# Altium PCB JTAG批量下载板-V1.6-ASCII.PcbDoc (part 6 of 14)
Units mil, origin at the board's own origin, x right, y up, seen from the top; angles counter-clockwise.
Board outline 7947.6 x 7007.76 mil, 2 copper layers (Top Layer, Bottom Layer); 207 components, 340 nets, 1329 pads, 792 vias.
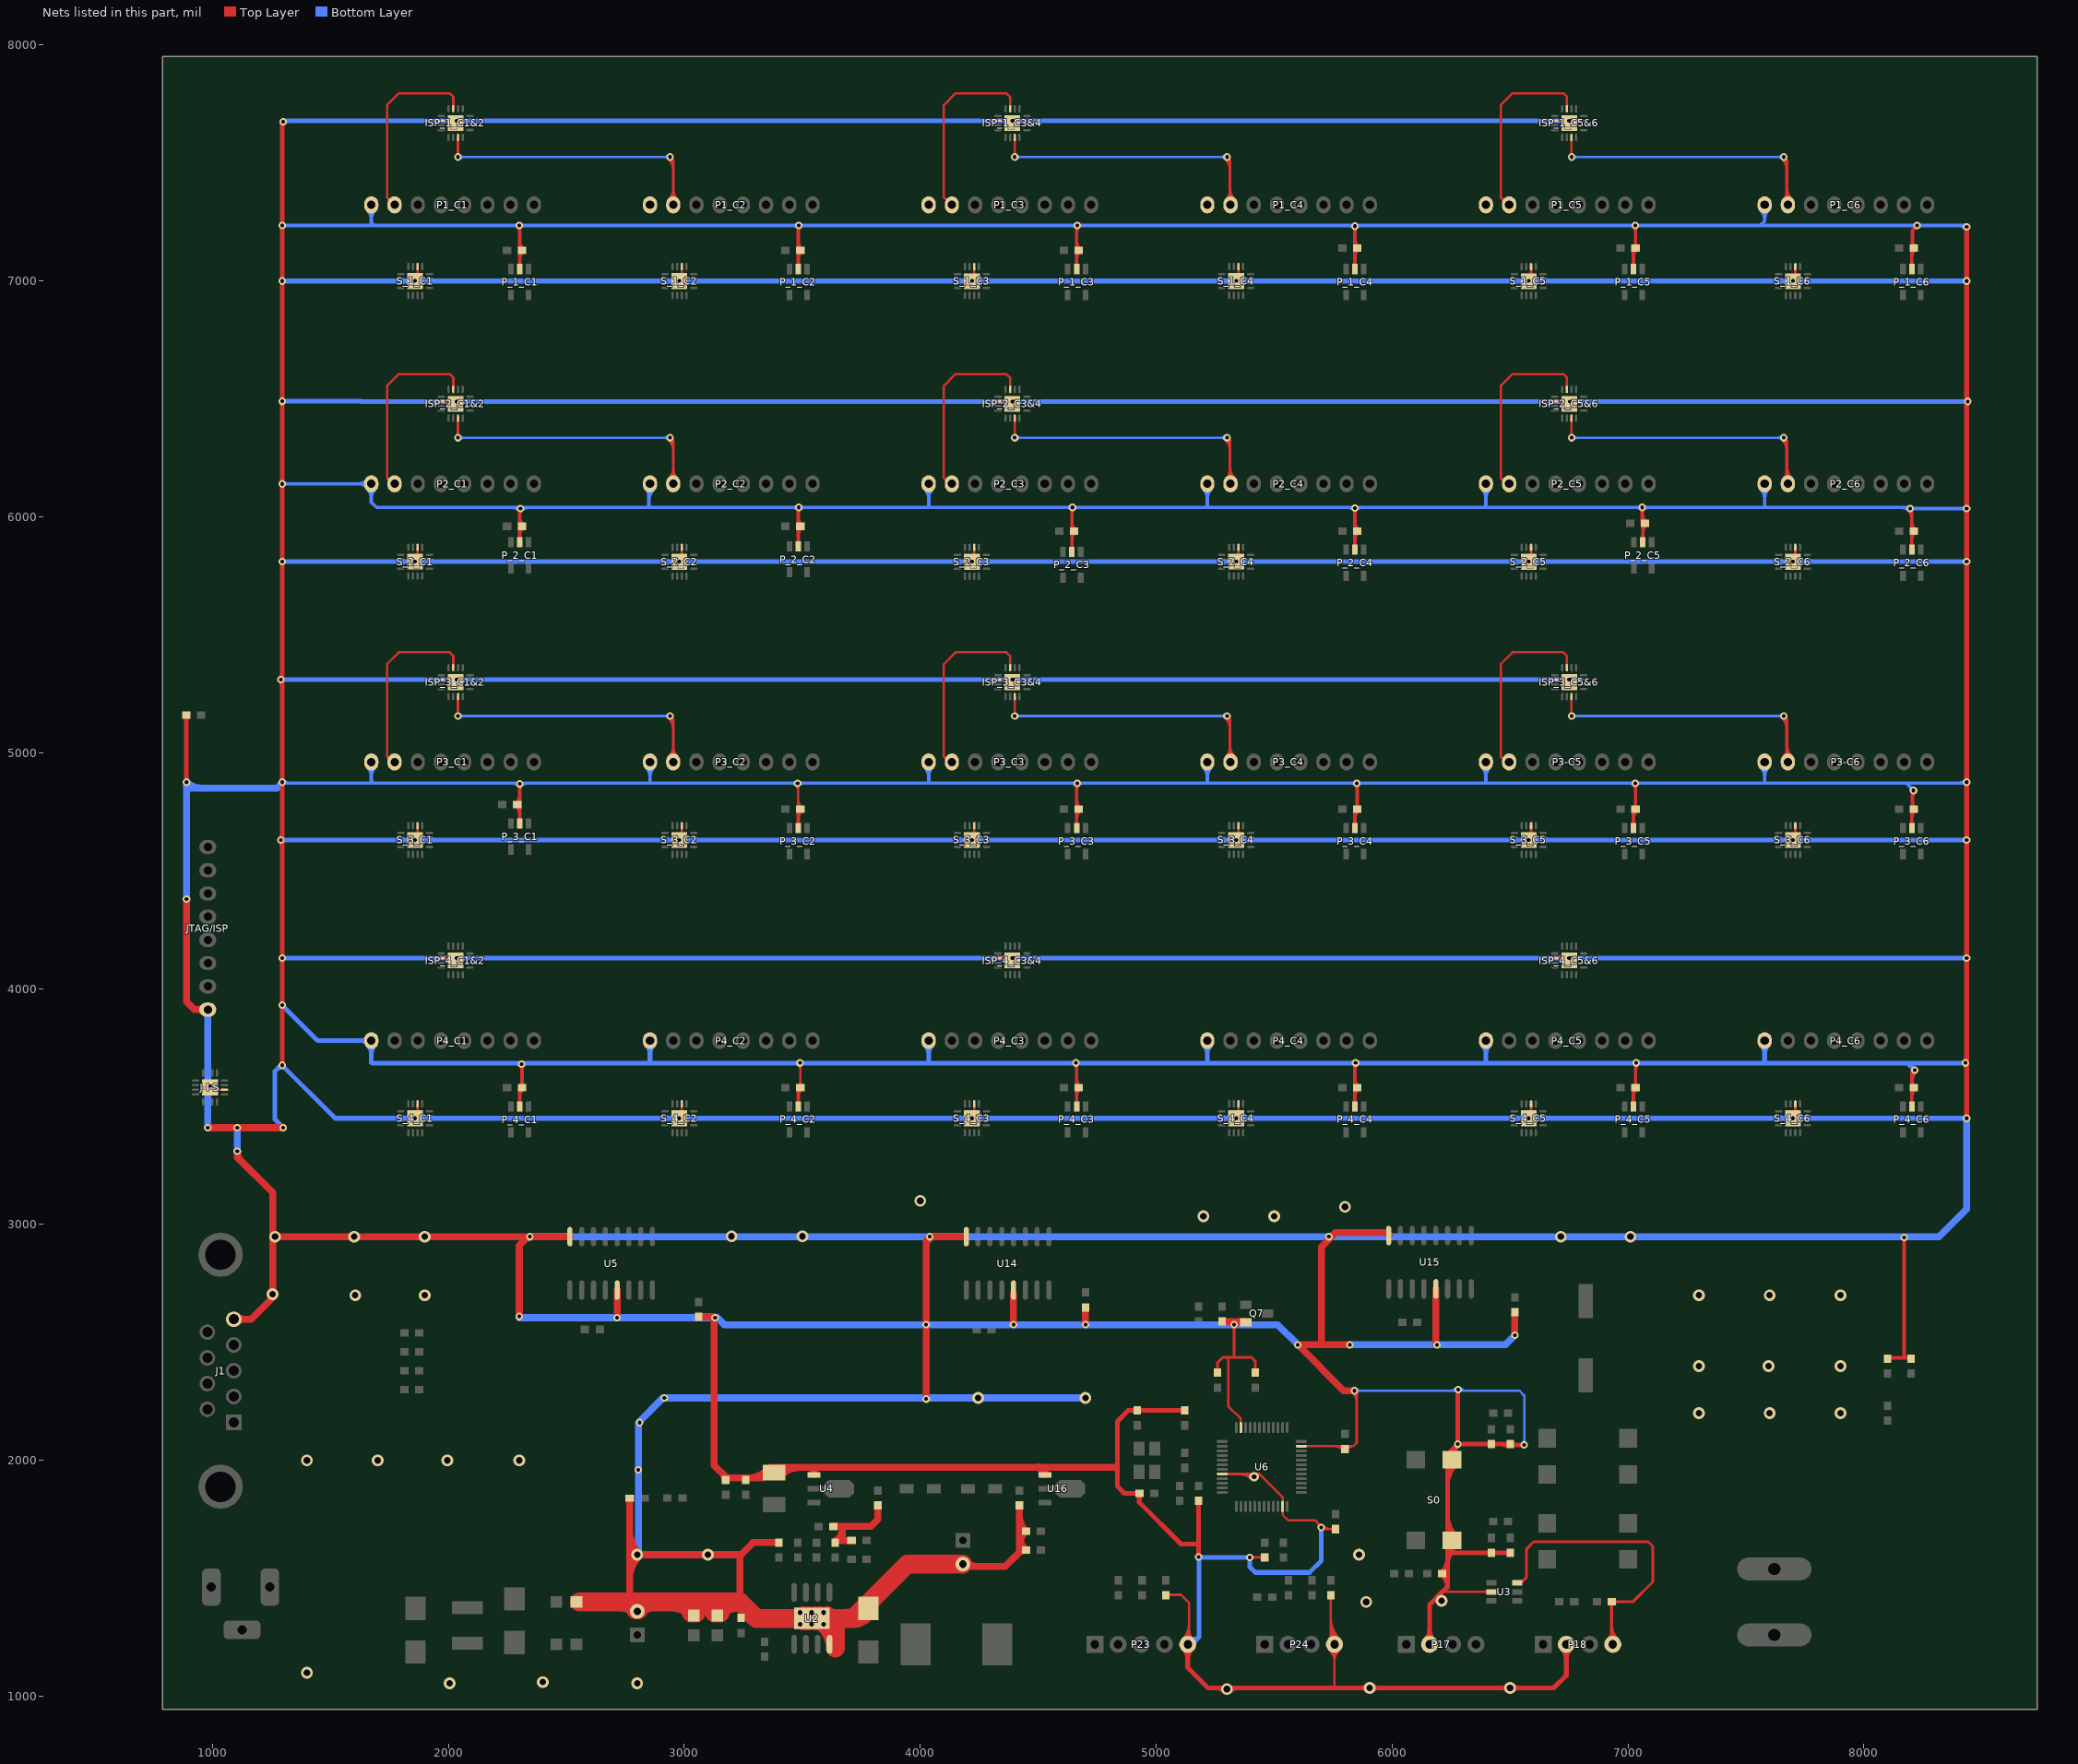
[diagram p6: the nets of this part, all layers, seen from the top]

## Via types
v1: diameter 32, hole 16, Top Layer to Bottom Layer, 721 vias
v2: diameter 50, hole 28, Top Layer to Bottom Layer, 45 vias
v3: diameter 40, hole 20, Top Layer to Bottom Layer, 26 vias

## Nets (pads, with @x,y where several pads share a name; then routed paths per layer and width w, separated by ;. In a path a pad name is that pad's centre, name@x,y a point inside that pad or via, vN(x,y) a via of type N, cw(c..) or ccw(c..) an arc to the next point about the centre after c; other vN are vias at no path point) (continued)
GND: (continued)
  Top Layer w30: v1(890,4380) 890,3945 923.98,3911.02 JTAG/ISP.8@980,3911.02 ; v1(980,3410) v1(1300,3410) ; J1.5@1089.92,2598.11 1163.11,2598.11 1255,2690 1255,3135 1105,3285 v1(1105,3310) ; v2@1256.81,2948.19 U5.8@2515,2948.19 ; v1(2300,2610) 2300,2910 v1@2338.19,2948.19 ; v1@2715,2610 U5.13@2715,2721.81 ; LD0.2@2768.5,1840 2768.5,1401.5 2770,1400 ; v2(2800,1600) 3240,1600 ; C41.2@3060,2608.5 3126.5,2608.5 3126.5,1978.5 C30.2@3180,1925 ; C30.2@3170,1925 3320,1925 ; 3235,1400 3235,1595 3291.5,1651.5 C50.2@3400,1651.5 ; C7.2@3365,1970 3320,1925 ; C7.2@3380,1970 4825,1970 ; U4.1@3549.13,1939.06 3549.13,1969.13 ; R10.1@3631.5,1720 3790,1720 3820,1750 C5.2@3820,1808.5 ; R7.1@3640,1660 C52.2@3708.5,1660 ; 3670,1660 3670,1715 ; 3675,1720 3670,1715 ; v1(4025,2260) 4025,2925 4048.19,2948.19 U14.8@4195,2948.19 ; C53.2@4195,1550 4360,1550 4420,1610 C21.2@4420,1808.5 ; v1(4395,2575) U14.13@4395,2710 ; 4505,1970 4529.13,1945.87 U16.1@4529.13,1939.06 ; v1(4700,2575) C43.2@4700,2648.5 ; R21.1@5280,2588.5 Q7.2@5376.69,2588.5 ; 5700,2495 5700,2905 5760,2965 U15.8@5975,2965 ; v1(5820,2490) v1(5600,2490) 5795,2295 v1(5840,2295) ; v1@6185,2490 U15.13@6185,2726.81 ; v1(6520,2530) C42.2@6520,2615 ; 937.79,3911.02 cw(c937.79,3874.81) 963.39,3900.42 ccw(c937.79,3874.81) 937.79,3911.02 ; 937.79,3911.02 ccw(c937.79,3947.24) 963.39,3921.63 cw(c937.79,3947.24) 937.79,3911.02 ; 1134.02,2598.11 cw(c1134.02,2642.21) 1102.84,2611.03 ccw(c1134.02,2642.21) 1134.02,2598.11 ; 1134.02,2598.11 ccw(c1134.02,2554.01) 1102.84,2585.19 cw(c1134.02,2554.01) 1134.02,2598.11 ; 2768.5,1499.82 cw(c2900.18,1499.82) v2@2807.07,1592.93 ; 2768.5,1499.82 cw(c2900.18,1499.82) v2@2807.07,1592.93 ; 2768.5,1499.82 cw(c2900.18,1499.82) v2@2807.07,1592.93 ; 2768.5,1572.25 cw(c2827.75,1572.25) v2@2785.86,1614.14 ; 2768.5,1572.25 cw(c2827.75,1572.25) v2@2785.86,1614.14 ; 2768.5,1572.25 cw(c2827.75,1572.25) v2@2785.86,1614.14 ; 2768.5,1627.75 ccw(c2827.75,1627.75) v2@2785.86,1585.86 ; 2768.5,1627.75 ccw(c2827.75,1627.75) v2@2785.86,1585.86 ; 2768.5,1627.75 ccw(c2827.75,1627.75) v2@2785.86,1585.86 ; 2768.5,1700.18 ccw(c2900.18,1700.18) v2@2807.07,1607.07 ; 2768.5,1700.18 ccw(c2900.18,1700.18) v2@2807.07,1607.07 ; 2768.5,1700.18 ccw(c2900.18,1700.18) v2@2807.07,1607.07 ; 3165.57,1939.43 cw(c3144.6,1918.46) C30.2@3174.25,1918.46 ; 3165.57,1939.43 cw(c3144.6,1918.46) C30.2@3174.25,1918.46 ; 3165.57,1939.43 cw(c3144.6,1918.46) C30.2@3174.25,1918.46 ; 3165.57,1939.43 cw(c3144.6,1918.46) C30.2@3174.25,1918.46 ; 3165.57,1939.43 cw(c3144.6,1918.46) C30.2@3174.25,1918.46 ; C30.2@3175.53,1917.94 cw(c3192.58,1900.88) 3192.58,1925 ; C30.2@3175.53,1917.94 cw(c3192.58,1900.88) 3192.58,1925 ; C30.2@3175.53,1917.94 cw(c3192.58,1900.88) 3192.58,1925 ; C30.2@3175.53,1917.94 cw(c3192.58,1900.88) 3192.58,1925 ; C30.2@3175.53,1917.94 cw(c3192.58,1900.88) 3192.58,1925 ; 3242.42,1925 cw(c3242.42,1900.88) C6.2@3259.47,1917.94 ; 3242.42,1925 cw(c3242.42,1900.88) C6.2@3259.47,1917.94 ; 3242.42,1925 cw(c3242.42,1900.88) C6.2@3259.47,1917.94 ; 3242.42,1925 cw(c3242.42,1900.88) C6.2@3259.47,1917.94 ; 3242.42,1925 cw(c3242.42,1900.88) C6.2@3259.47,1917.94 ; C6.2@3260.53,1917.94 cw(c3277.58,1900.88) 3277.58,1925 ; C6.2@3260.53,1917.94 cw(c3277.58,1900.88) 3277.58,1925 ; C6.2@3260.53,1917.94 cw(c3277.58,1900.88) 3277.58,1925 ; C6.2@3260.53,1917.94 cw(c3277.58,1900.88) 3277.58,1925 ; C6.2@3260.53,1917.94 cw(c3277.58,1900.88) 3277.58,1925 ; C6.2@3267.72,1925 ccw(c3267.72,2045.43) C7.2@3352.88,1960.27 ; C6.2@3267.72,1925 ccw(c3267.72,2045.43) C7.2@3352.88,1960.27 ; C6.2@3267.72,1925 ccw(c3267.72,2045.43) C7.2@3352.88,1960.27 ; C6.2@3267.72,1925 ccw(c3267.72,2045.43) C7.2@3352.88,1960.27 ; C6.2@3267.72,1925 ccw(c3267.72,2045.43) C7.2@3352.88,1960.27 ; 3320,1925 ccw(c3320,1953.04) C7.2@3347.87,1949.88 ; 3320,1925 ccw(c3320,1953.04) C7.2@3347.87,1949.88 ; 3320,1925 ccw(c3320,1953.04) C7.2@3347.87,1949.88 ; 3320,1925 ccw(c3320,1953.04) C7.2@3347.87,1949.88 ; 3320,1925 ccw(c3320,1953.04) C7.2@3347.87,1949.88 ; C7.2@3407.12,1935.55 cw(c3490.29,1852.39) 3490.29,1970 ; C7.2@3407.12,1935.55 cw(c3490.29,1852.39) 3490.29,1970 ; C7.2@3407.12,1935.55 cw(c3490.29,1852.39) 3490.29,1970 ; C7.2@3407.12,1935.55 cw(c3490.29,1852.39) 3490.29,1970 ; C7.2@3407.12,1935.55 cw(c3490.29,1852.39) 3490.29,1970 ; R7.1@3639.55,1654.06 ccw(c3593.81,1715) 3670,1715 ; R7.1@3639.55,1654.06 ccw(c3593.81,1715) 3670,1715 ; R7.1@3639.55,1654.06 ccw(c3593.81,1715) 3670,1715 ; R7.1@3639.55,1654.06 ccw(c3593.81,1715) 3670,1715 ; R7.1@3639.55,1654.06 ccw(c3593.81,1715) 3670,1715 ; R7.1@3640.53,1652.94 cw(c3657.58,1635.88) 3657.58,1660 ; R7.1@3640.53,1652.94 cw(c3657.58,1635.88) 3657.58,1660 ; R7.1@3640.53,1652.94 cw(c3657.58,1635.88) 3657.58,1660 ; R7.1@3640.53,1652.94 cw(c3657.58,1635.88) 3657.58,1660 ; R7.1@3640.53,1652.94 cw(c3657.58,1635.88) 3657.58,1660 ; 4025,2909.56 cw(c4078.63,2909.56) v1@4040.71,2947.48 ; 4025,2909.56 cw(c4078.63,2909.56) v1@4040.71,2947.48 ; 4025,2909.56 cw(c4078.63,2909.56) v1@4040.71,2947.48 ; 4025,2909.56 cw(c4078.63,2909.56) v1@4040.71,2947.48 ; 4025,2909.56 cw(c4078.63,2909.56) v1@4040.71,2947.48 ; 4025,2920.57 cw(c4055.83,2920.57) v1@4040.5,2947.32 ; 4025,2920.57 cw(c4055.83,2920.57) v1@4040.5,2947.32 ; 4025,2920.57 cw(c4055.83,2920.57) v1@4040.5,2947.32 ; 4025,2920.57 cw(c4055.83,2920.57) v1@4040.5,2947.32 ; 4025,2920.57 cw(c4055.83,2920.57) v1@4040.5,2947.32 ; 4032.5,2932.5 ccw(c4016.82,2948.19) v1@4039,2948.19 ; 4032.5,2932.5 ccw(c4016.82,2948.19) v1@4039,2948.19 ; 4032.5,2932.5 ccw(c4016.82,2948.19) v1@4039,2948.19 ; 4032.5,2932.5 ccw(c4016.82,2948.19) v1@4039,2948.19 ; 4032.5,2932.5 ccw(c4016.82,2948.19) v1@4039,2948.19 ; C53.2@4191.66,1571.66 ccw(c4243.97,1623.97) 4243.97,1550 ; C53.2@4191.66,1571.66 ccw(c4243.97,1623.97) 4243.97,1550 ; C53.2@4191.66,1571.66 ccw(c4243.97,1623.97) 4243.97,1550 ; C53.2@4191.66,1571.66 ccw(c4243.97,1623.97) 4243.97,1550 ; C53.2@4191.66,1571.66 ccw(c4243.97,1623.97) 4243.97,1550 ; 4417.03,1607.03 cw(c4446.54,1577.53) C23.1@4446.54,1619.25 ; 4417.03,1607.03 cw(c4446.54,1577.53) C23.1@4446.54,1619.25 ; 4417.03,1607.03 cw(c4446.54,1577.53) C23.1@4446.54,1619.25 ; 4417.03,1607.03 cw(c4446.54,1577.53) C23.1@4446.54,1619.25 ; 4417.03,1607.03 cw(c4446.54,1577.53) C23.1@4446.54,1619.25 ; 4417.03,1607.03 cw(c4446.54,1577.53) C23.1@4446.54,1619.25 ; 4417.03,1607.03 cw(c4446.54,1577.53) C23.1@4446.54,1619.25 ; 4417.03,1607.03 cw(c4446.54,1577.53) C23.1@4446.54,1619.25 ; 4417.03,1607.03 cw(c4446.54,1577.53) C23.1@4446.54,1619.25 ; 4417.03,1607.03 cw(c4446.54,1577.53) C23.1@4446.54,1619.25 ; 4420,1634.13 cw(c4512.4,1634.13) C22.2@4447.06,1699.47 ; 4420,1634.13 cw(c4512.4,1634.13) C22.2@4447.06,1699.47 ; 4420,1634.13 cw(c4512.4,1634.13) C22.2@4447.06,1699.47 ; 4420,1634.13 cw(c4512.4,1634.13) C22.2@4447.06,1699.47 ; 4420,1634.13 cw(c4512.4,1634.13) C22.2@4447.06,1699.47 ; 4420,1685.87 ccw(c4512.4,1685.87) C23.1@4447.06,1620.53 ; 4420,1685.87 ccw(c4512.4,1685.87) C23.1@4447.06,1620.53 ; 4420,1685.87 ccw(c4512.4,1685.87) C23.1@4447.06,1620.53 ; 4420,1685.87 ccw(c4512.4,1685.87) C23.1@4447.06,1620.53 ; 4420,1685.87 ccw(c4512.4,1685.87) C23.1@4447.06,1620.53 ; 4420,1765.87 ccw(c4512.4,1765.87) C22.2@4447.06,1700.53 ; 4420,1765.87 ccw(c4512.4,1765.87) C22.2@4447.06,1700.53 ; 4420,1765.87 ccw(c4512.4,1765.87) C22.2@4447.06,1700.53 ; 4420,1765.87 ccw(c4512.4,1765.87) C22.2@4447.06,1700.53 ; 4420,1765.87 ccw(c4512.4,1765.87) C22.2@4447.06,1700.53 ; 4502.88,1972.12 cw(c4469.81,1939.06) U16.1@4516.57,1939.06 ; 4502.88,1972.12 cw(c4469.81,1939.06) U16.1@4516.57,1939.06 ; 4502.88,1972.12 cw(c4469.81,1939.06) U16.1@4516.57,1939.06 ; 4502.88,1972.12 cw(c4469.81,1939.06) U16.1@4516.57,1939.06 ; 4502.88,1972.12 cw(c4469.81,1939.06) U16.1@4516.57,1939.06 ; R21.1@5294.98,2588.5 cw(c5294.98,2539.98) v1@5329.29,2574.29 ; R21.1@5294.98,2588.5 cw(c5294.98,2539.98) v1@5329.29,2574.29 ; R21.1@5294.98,2588.5 cw(c5294.98,2539.98) v1@5329.29,2574.29 ; R21.1@5294.98,2588.5 cw(c5294.98,2539.98) v1@5329.29,2574.29 ; R21.1@5294.98,2588.5 cw(c5294.98,2539.98) v1@5329.29,2574.29 ; v1@5330.71,2574.29 cw(c5365.02,2539.98) Q7.2@5365.02,2588.5 ; v1@5330.71,2574.29 cw(c5365.02,2539.98) Q7.2@5365.02,2588.5 ; v1@5330.71,2574.29 cw(c5365.02,2539.98) Q7.2@5365.02,2588.5 ; v1@5330.71,2574.29 cw(c5365.02,2539.98) Q7.2@5365.02,2588.5 ; v1@5330.71,2574.29 cw(c5365.02,2539.98) Q7.2@5365.02,2588.5 ; 5722.06,2927.06 ccw(c5700.93,2948.19) v1@5730.81,2948.19 ; 5722.06,2927.06 ccw(c5700.93,2948.19) v1@5730.81,2948.19 ; 5722.06,2927.06 ccw(c5700.93,2948.19) v1@5730.81,2948.19 ; 5722.06,2927.06 ccw(c5700.93,2948.19) v1@5730.81,2948.19 ; 5722.06,2927.06 ccw(c5700.93,2948.19) v1@5730.81,2948.19 ; v1@5731.81,2949.19 ccw(c5731.81,2979.07) 5752.94,2957.94 ; v1@5731.81,2949.19 ccw(c5731.81,2979.07) 5752.94,2957.94 ; v1@5731.81,2949.19 ccw(c5731.81,2979.07) 5752.94,2957.94 ; v1@5731.81,2949.19 ccw(c5731.81,2979.07) 5752.94,2957.94 ; v1@5731.81,2949.19 ccw(c5731.81,2979.07) 5752.94,2957.94 ; 5966.56,2965 cw(c5966.56,2934.75) U15.8@5987.95,2956.14 ; 5966.56,2965 cw(c5966.56,2934.75) U15.8@5987.95,2956.14 ; 5966.56,2965 cw(c5966.56,2934.75) U15.8@5987.95,2956.14 ; 5966.56,2965 cw(c5966.56,2934.75) U15.8@5987.95,2956.14 ; 5966.56,2965 cw(c5966.56,2934.75) U15.8@5987.95,2956.14 ; v1@1106,3310 ccw(c1168.77,3310) 1124.38,3265.62 cw(c1168.77,3310) v1@1106,3310
  Top Layer w80: L2.1@2555,1400 3235,1400 ; U2.9@3505,1330 3305,1330 3235,1400 ; U2.9@3560,1330 3715,1330 ; U2.9@3567.61,1325.61 cw(c3501.34,1203.81) 3640,1203.81 ; 3640,1225 3640,1320 ; C53.2@4180,1560 3945,1560 3715,1330 ; 2723.96,1400 cw(c2723.96,1283.96) C2.2@2806.01,1366.01 ; 2723.96,1400 cw(c2723.96,1283.96) C2.2@2806.01,1366.01 ; 2723.96,1400 cw(c2723.96,1283.96) C2.2@2806.01,1366.01 ; 2723.96,1400 cw(c2723.96,1283.96) C2.2@2806.01,1366.01 ; 2723.96,1400 cw(c2723.96,1283.96) C2.2@2806.01,1366.01 ; C2.2@2793.99,1366.01 cw(c2876.04,1283.96) 2876.04,1400 ; C2.2@2793.99,1366.01 cw(c2876.04,1283.96) 2876.04,1400 ; C2.2@2793.99,1366.01 cw(c2876.04,1283.96) 2876.04,1400 ; C2.2@2793.99,1366.01 cw(c2876.04,1283.96) 2876.04,1400 ; C2.2@2793.99,1366.01 cw(c2876.04,1283.96) 2876.04,1400 ; 2936.86,1400 cw(c2936.86,1239.13) C3.2@3050.61,1352.88 ; 2936.86,1400 cw(c2936.86,1239.13) C3.2@3050.61,1352.88 ; 2936.86,1400 cw(c2936.86,1239.13) C3.2@3050.61,1352.88 ; 2936.86,1400 cw(c2936.86,1239.13) C3.2@3050.61,1352.88 ; 2936.86,1400 cw(c2936.86,1239.13) C3.2@3050.61,1352.88 ; C3.2@3029.39,1352.88 cw(c3143.14,1239.13) 3143.14,1400 ; C3.2@3029.39,1352.88 cw(c3143.14,1239.13) 3143.14,1400 ; C3.2@3029.39,1352.88 cw(c3143.14,1239.13) 3143.14,1400 ; C3.2@3029.39,1352.88 cw(c3143.14,1239.13) 3143.14,1400 ; C3.2@3029.39,1352.88 cw(c3143.14,1239.13) 3143.14,1400 ; 3036.86,1400 cw(c3036.86,1239.13) C48.2@3150.61,1352.88 ; 3036.86,1400 cw(c3036.86,1239.13) C48.2@3150.61,1352.88 ; 3036.86,1400 cw(c3036.86,1239.13) C48.2@3150.61,1352.88 ; 3036.86,1400 cw(c3036.86,1239.13) C48.2@3150.61,1352.88 ; 3036.86,1400 cw(c3036.86,1239.13) C48.2@3150.61,1352.88 ; C48.2@3128.78,1352.23 cw(c3234.99,1258.03) 3234.99,1400 ; C48.2@3128.78,1352.23 cw(c3234.99,1258.03) 3234.99,1400 ; C48.2@3128.78,1352.23 cw(c3234.99,1258.03) 3234.99,1400 ; C48.2@3128.78,1352.23 cw(c3234.99,1258.03) 3234.99,1400 ; C48.2@3128.78,1352.23 cw(c3234.99,1258.03) 3234.99,1400 ; U2.9@3477.93,1330 ccw(c3477.93,1367.07) U2.9@3504.14,1340.86 ; U2.9@3477.93,1330 cw(c3477.93,1292.93) U2.9@3504.14,1319.14 ; U2.9@3477.93,1330 ccw(c3477.93,1367.07) U2.9@3504.14,1340.86 ; U2.9@3477.93,1330 cw(c3477.93,1292.93) U2.9@3504.14,1319.14 ; U2.9@3477.93,1330 cw(c3477.93,1292.93) U2.9@3504.14,1319.14 ; U2.9@3477.93,1330 ccw(c3477.93,1367.07) U2.9@3504.14,1340.86 ; U2.9@3477.93,1330 cw(c3477.93,1292.93) U2.9@3504.14,1319.14 ; U2.9@3477.93,1330 ccw(c3477.93,1367.07) U2.9@3504.14,1340.86 ; U2.9@3477.93,1330 cw(c3477.93,1292.93) U2.9@3504.14,1319.14 ; U2.9@3477.93,1330 ccw(c3477.93,1367.07) U2.9@3504.14,1340.86 ; U2.9@3525.86,1319.14 cw(c3552.07,1292.93) U2.9@3552.07,1330 ; U2.9@3525.86,1319.14 cw(c3552.07,1292.93) U2.9@3552.07,1330 ; U2.9@3525.86,1319.14 cw(c3552.07,1292.93) U2.9@3552.07,1330 ; U2.9@3525.86,1319.14 cw(c3552.07,1292.93) U2.9@3552.07,1330 ; U2.9@3525.86,1319.14 cw(c3552.07,1292.93) U2.9@3552.07,1330 ; U2.9@3525.86,1319.14 cw(c3552.07,1292.93) U2.9@3552.07,1330 ; U2.9@3525.86,1319.14 cw(c3552.07,1292.93) U2.9@3552.07,1330 ; U2.9@3525.86,1319.14 cw(c3552.07,1292.93) U2.9@3552.07,1330 ; U2.9@3525.86,1319.14 cw(c3552.07,1292.93) U2.9@3552.07,1330 ; U2.9@3525.86,1319.14 cw(c3552.07,1292.93) U2.9@3552.07,1330 ; U2.9@3525.86,1340.86 ccw(c3552.07,1367.07) U2.9@3552.07,1330 ; U2.9@3525.86,1340.86 ccw(c3552.07,1367.07) U2.9@3552.07,1330 ; U2.9@3525.86,1340.86 ccw(c3552.07,1367.07) U2.9@3552.07,1330 ; U2.9@3525.86,1340.86 ccw(c3552.07,1367.07) U2.9@3552.07,1330 ; U2.9@3525.86,1340.86 ccw(c3552.07,1367.07) U2.9@3552.07,1330 ; U2.9@3525.86,1340.86 ccw(c3552.07,1367.07) U2.9@3552.07,1330 ; U2.9@3525.86,1340.86 ccw(c3552.07,1367.07) U2.9@3552.07,1330 ; U2.9@3525.86,1340.86 ccw(c3552.07,1367.07) U2.9@3552.07,1330 ; U2.9@3525.86,1340.86 ccw(c3552.07,1367.07) U2.9@3552.07,1330 ; U2.9@3525.86,1340.86 ccw(c3552.07,1367.07) U2.9@3552.07,1330 ; U2.9@3527.93,1330 cw(c3527.93,1292.93) U2.9@3554.14,1319.14 ; U2.9@3527.93,1330 cw(c3527.93,1292.93) U2.9@3554.14,1319.14 ; U2.9@3527.93,1330 ccw(c3527.93,1367.07) U2.9@3554.14,1340.86 ; U2.9@3527.93,1330 ccw(c3527.93,1367.07) U2.9@3554.14,1340.86 ; U2.9@3527.93,1330 cw(c3527.93,1292.93) U2.9@3554.14,1319.14 ; U2.9@3527.93,1330 cw(c3527.93,1292.93) U2.9@3554.14,1319.14 ; U2.9@3527.93,1330 ccw(c3527.93,1367.07) U2.9@3554.14,1340.86 ; U2.9@3527.93,1330 ccw(c3527.93,1367.07) U2.9@3554.14,1340.86 ; U2.9@3527.93,1330 ccw(c3527.93,1367.07) U2.9@3554.14,1340.86 ; U2.9@3527.93,1330 ccw(c3527.93,1367.07) U2.9@3554.14,1340.86 ; U2.9@3527.93,1330 cw(c3527.93,1292.93) U2.9@3554.14,1319.14 ; U2.9@3527.93,1330 cw(c3527.93,1292.93) U2.9@3554.14,1319.14 ; U2.9@3527.93,1330 ccw(c3527.93,1367.07) U2.9@3554.14,1340.86 ; U2.9@3527.93,1330 ccw(c3527.93,1367.07) U2.9@3554.14,1340.86 ; U2.9@3527.93,1330 cw(c3527.93,1292.93) U2.9@3554.14,1319.14 ; U2.9@3527.93,1330 cw(c3527.93,1292.93) U2.9@3554.14,1319.14 ; U2.9@3527.93,1330 ccw(c3527.93,1367.07) U2.9@3554.14,1340.86 ; U2.9@3527.93,1330 ccw(c3527.93,1367.07) U2.9@3554.14,1340.86 ; U2.9@3527.93,1330 cw(c3527.93,1292.93) U2.9@3554.14,1319.14 ; U2.9@3527.93,1330 cw(c3527.93,1292.93) U2.9@3554.14,1319.14 ; U2.9@3575.86,1319.14 cw(c3602.07,1292.93) U2.9@3602.07,1330 ; U2.9@3575.86,1319.14 cw(c3602.07,1292.93) U2.9@3602.07,1330 ; U2.9@3575.86,1319.14 cw(c3602.07,1292.93) U2.9@3602.07,1330 ; U2.9@3575.86,1319.14 cw(c3602.07,1292.93) U2.9@3602.07,1330 ; U2.9@3575.86,1319.14 cw(c3602.07,1292.93) U2.9@3602.07,1330 ; U2.9@3575.86,1340.86 ccw(c3602.07,1367.07) U2.9@3602.07,1330 ; U2.9@3575.86,1340.86 ccw(c3602.07,1367.07) U2.9@3602.07,1330 ; U2.9@3575.86,1340.86 ccw(c3602.07,1367.07) U2.9@3602.07,1330 ; U2.9@3575.86,1340.86 ccw(c3602.07,1367.07) U2.9@3602.07,1330 ; U2.9@3575.86,1340.86 ccw(c3602.07,1367.07) U2.9@3602.07,1330 ; U2.9@3577.93,1330 cw(c3577.93,1292.93) U2.9@3604.14,1319.14 ; U2.9@3577.93,1330 ccw(c3577.93,1367.07) U2.9@3604.14,1340.86 ; U2.9@3577.93,1330 cw(c3577.93,1292.93) U2.9@3604.14,1319.14 ; U2.9@3577.93,1330 ccw(c3577.93,1367.07) U2.9@3604.14,1340.86 ; U2.9@3577.93,1330 ccw(c3577.93,1367.07) U2.9@3604.14,1340.86 ; U2.9@3577.93,1330 cw(c3577.93,1292.93) U2.9@3604.14,1319.14 ; U2.9@3577.93,1330 ccw(c3577.93,1367.07) U2.9@3604.14,1340.86 ; U2.9@3577.93,1330 cw(c3577.93,1292.93) U2.9@3604.14,1319.14 ; U2.9@3577.93,1330 ccw(c3577.93,1367.07) U2.9@3604.14,1340.86 ; U2.9@3577.93,1330 cw(c3577.93,1292.93) U2.9@3604.14,1319.14 ; U2.9@3604.14,1319.14 cw(c3517.57,1232.57) 3640,1232.57 ; U2.9@3604.14,1319.14 cw(c3517.57,1232.57) 3640,1232.57 ; U2.9@3604.14,1319.14 cw(c3517.57,1232.57) 3640,1232.57 ; U2.9@3604.14,1319.14 cw(c3517.57,1232.57) 3640,1232.57 ; U2.9@3604.14,1319.14 cw(c3517.57,1232.57) 3640,1232.57 ; 3683.62,1330 ccw(c3683.62,1462.99) D8.1@3777.66,1368.95 ; 3683.62,1330 ccw(c3683.62,1462.99) D8.1@3777.66,1368.95 ; 3683.62,1330 ccw(c3683.62,1462.99) D8.1@3777.66,1368.95 ; 3683.62,1330 ccw(c3683.62,1462.99) D8.1@3777.66,1368.95 ; 3683.62,1330 ccw(c3683.62,1462.99) D8.1@3777.66,1368.95 ; 3715,1330 ccw(c3715,1399.57) D8.1@3777.05,1368.11 ; 3715,1330 ccw(c3715,1399.57) D8.1@3777.05,1368.11 ; 3715,1330 ccw(c3715,1399.57) D8.1@3777.05,1368.11 ; 3715,1330 ccw(c3715,1399.57) D8.1@3777.05,1368.11 ; 3715,1330 ccw(c3715,1399.57) D8.1@3777.05,1368.11 ; 3725.9,1340.9 cw(c3780,1286.79) D8.1@3780,1363.31 ; 3725.9,1340.9 cw(c3780,1286.79) D8.1@3780,1363.31 ; 3725.9,1340.9 cw(c3780,1286.79) D8.1@3780,1363.31 ; 3725.9,1340.9 cw(c3780,1286.79) D8.1@3780,1363.31 ; 3725.9,1340.9 cw(c3780,1286.79) D8.1@3780,1363.31
  Bottom Layer w10: v1(5840,2295) 6540,2295 6560,2275 v1(6560,2065) ; v1@5847.78,2287.22 cw(c5866.56,2268.44) 5866.56,2295 ; v1@5847.78,2287.22 cw(c5866.56,2268.44) 5866.56,2295 ; v1@5847.78,2287.22 cw(c5866.56,2268.44) 5866.56,2295 ; v1@5847.78,2287.22 cw(c5866.56,2268.44) 5866.56,2295 ; v1@5847.78,2287.22 cw(c5866.56,2268.44) 5866.56,2295 ; v1@5847.78,2302.78 ccw(c5866.56,2321.56) 5866.56,2295 ; v1@5847.78,2302.78 ccw(c5866.56,2321.56) 5866.56,2295 ; v1@5847.78,2302.78 ccw(c5866.56,2321.56) 5866.56,2295 ; v1@5847.78,2302.78 ccw(c5866.56,2321.56) 5866.56,2295 ; v1@5847.78,2302.78 ccw(c5866.56,2321.56) 5866.56,2295 ; 6241.37,2295 ccw(c6241.37,2338.63) v1@6272.22,2307.78 ; 6241.37,2295 ccw(c6241.37,2338.63) v1@6272.22,2307.78 ; 6241.37,2295 ccw(c6241.37,2338.63) v1@6272.22,2307.78 ; 6241.37,2295 ccw(c6241.37,2338.63) v1@6272.22,2307.78 ; 6241.37,2295 ccw(c6241.37,2338.63) v1@6272.22,2307.78 ; v1@6287.78,2307.78 ccw(c6318.63,2338.63) 6318.63,2295 ; v1@6287.78,2307.78 ccw(c6318.63,2338.63) 6318.63,2295 ; v1@6287.78,2307.78 ccw(c6318.63,2338.63) 6318.63,2295 ; v1@6287.78,2307.78 ccw(c6318.63,2338.63) 6318.63,2295 ; v1@6287.78,2307.78 ccw(c6318.63,2338.63) 6318.63,2295 ; v1@6552.22,2072.78 ccw(c6533.44,2091.56) 6560,2091.56 ; v1@6552.22,2072.78 ccw(c6533.44,2091.56) 6560,2091.56 ; v1@6552.22,2072.78 ccw(c6533.44,2091.56) 6560,2091.56 ; v1@6552.22,2072.78 ccw(c6533.44,2091.56) 6560,2091.56 ; v1@6552.22,2072.78 ccw(c6533.44,2091.56) 6560,2091.56 ; 6560,2091.56 ccw(c6586.56,2091.56) v1@6567.78,2072.78 ; 6560,2091.56 ccw(c6586.56,2091.56) v1@6567.78,2072.78 ; 6560,2091.56 ccw(c6586.56,2091.56) v1@6567.78,2072.78 ; 6560,2091.56 ccw(c6586.56,2091.56) v1@6567.78,2072.78 ; 6560,2091.56 ccw(c6586.56,2091.56) v1@6567.78,2072.78